# KiCad board Underside.kicad_pcb
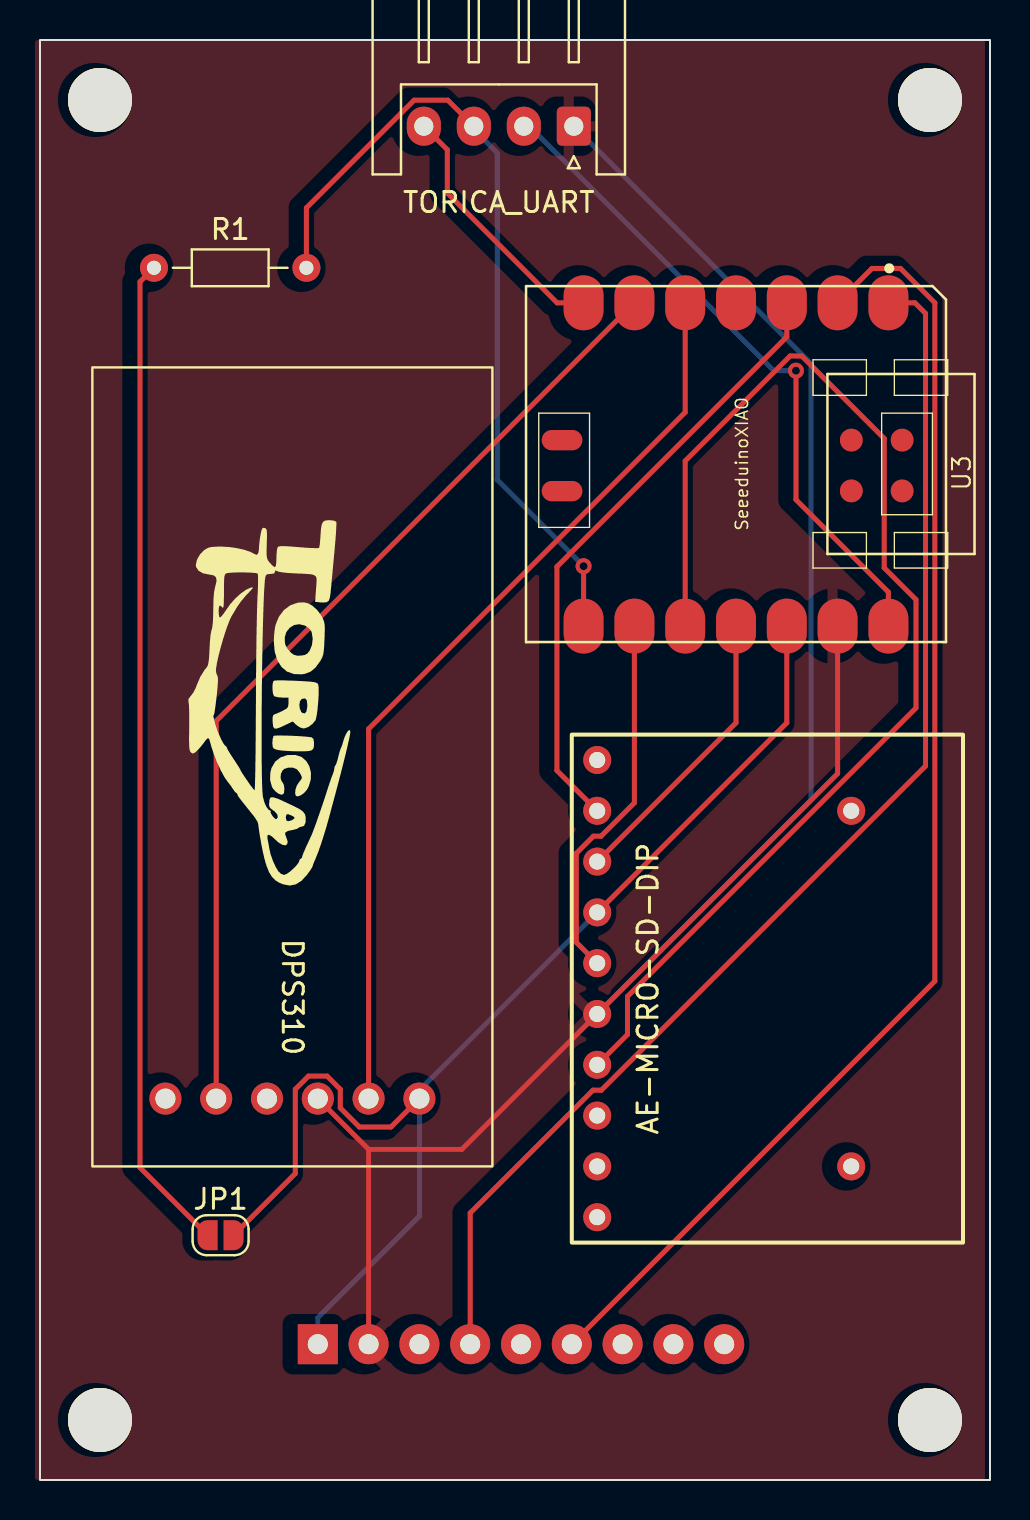
[diagram p0: board, top side]
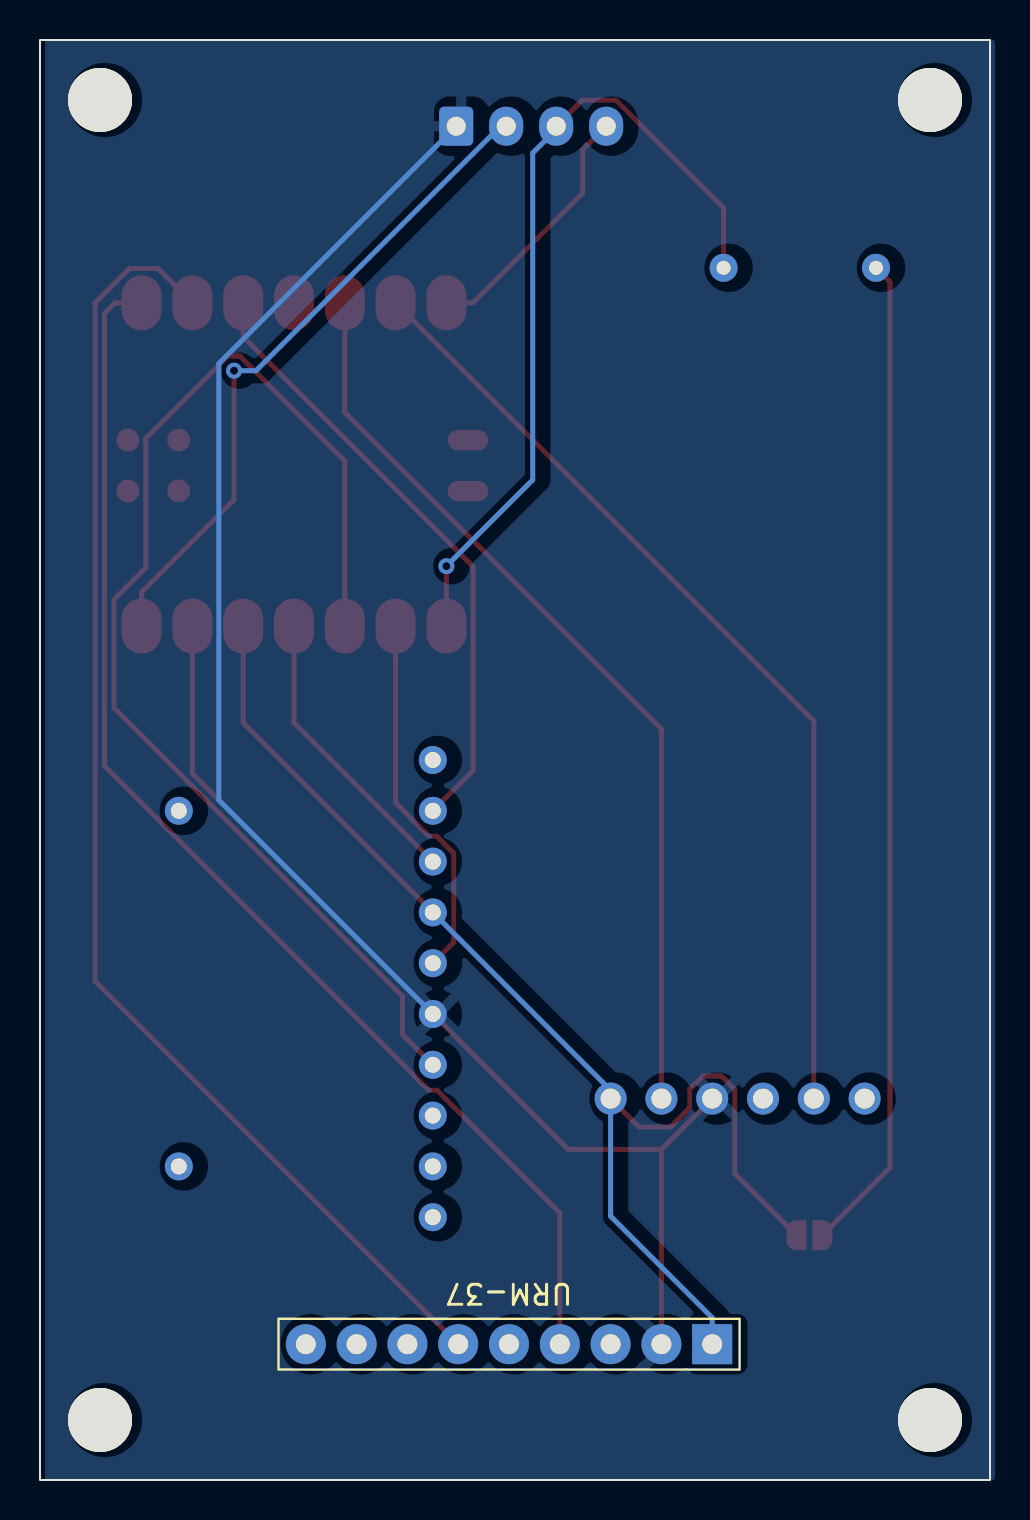
[diagram p1: board, bottom side, seen from below]

Outline 47.5 x 72 mm; copper layers: Top, Bottom. Coordinates in mm from the lower left corner of the outline.
Outline path: rectangle 0,72 47.5,0

## Placement (name value [footprint] x y rotation side)
G***  LOGO  [torica]  11.35 39.39 270 top
J1  AE-MICRO-SD-DIP  [microSD_AE-MICRO-SD-DIP]  26.59 24.57 90 top
JP1  SolderJumper_2_Open  [SolderJumper-2_P1.3mm_Open_RoundedPad1.0x1.5mm]  9.03 12.24 0 top
R1  1k  [R_Axial_DIN0204_L3.6mm_D1.6mm_P7.62mm_Horizontal]  5.7 60.61 0 top
REF1  -  [MountingHole_3.2mm_M3]  3 69 0 top
REF2  -  [MountingHole_3.2mm_M3]  3 3 0 top
REF3  -  [MountingHole_3.2mm_M3]  44.5 3 0 top
REF4  -  [MountingHole_3.2mm_M3]  44.5 69 0 top
TORICA-UART1  TORICA_UART  [JST_XH_S4B-XH-A_1x04_P2.50mm_Horizontal]  26.69 67.69 180 top
U1  -  [DPS310]  12.62 35.58 270 top
U2  URM-37  [URM37]  24.05 6.79 180 bottom
U3  SeeeduinoXIAO  [Seeeduino XIAO-MOUDLE14P-2.54-21X17.8MM]  24.3 59.69 270 top

## Library data of the parts
J1 = -: Description: Micro SD Card Socket with card detection pins
JP1 = -: Description: Solder Jumper, 2-pole, open
R1 = -: Description: Resistor
U1 = -: Description: 高精度気圧センサ
U2 = -: Description: 超音波センサー

## Footprints (pads in the part's own frame, mm; a bottom-side part is the same pattern mirrored in y, then rotated)
DPS310
  round 1.6 hole 1: 1(16.51,6.35) 2(16.51,3.81) 3(16.51,1.27) 4(16.51,-1.27) 5(16.51,-3.81) 6(16.51,-6.35)
JST_XH_S4B-XH-A_1x04_P2.50mm_Horizontal
  rrect 1.7x1.95 hole 0.95: 1(0,0)
  oval 1.7x1.95 hole 0.95: 2(2.5,0) 3(5,0) 4(7.5,0)
microSD_AE-MICRO-SD-DIP
  round 1.4 hole 0.8: 1(11.43,-1.27) 2(8.89,-1.27) 3(6.35,-1.27) 4(3.81,-1.27) 5(1.27,-1.27) 6(-1.27,-1.27) 7(-3.81,-1.27) 8(-6.35,-1.27) 9(-8.89,-1.27) 10(-11.43,-1.27) 11(-8.89,-13.97) 13(8.89,-13.97)
MountingHole_3.2mm_M3
  round 3.2 hole 3.2 unplated: (0,0)
R_Axial_DIN0204_L3.6mm_D1.6mm_P7.62mm_Horizontal
  round 1.4 hole 0.7: 1(0,0)
  oval 1.4x1.4 hole 0.7: 2(7.62,0)
Seeeduino XIAO-MOUDLE14P-2.54-21X17.8MM
  oval 2.748x1.999 smd: 1(0.833,18.118) 2(0.833,15.578) 3(0.833,13.038) 4(0.833,10.498) 5(0.833,7.958) 6(0.833,5.418) 7(0.833,2.878) 8(16.998,2.878) 9(16.998,5.418) 10(16.998,7.958) 11(16.998,10.498) 12(16.998,13.038) 13(16.998,15.578) 14(16.998,18.118)
  oval 1.016x2.032 smd: 15(7.7,1.8) 16(10.25,1.8)
  round 1.143 smd: 17(7.699,18.804) 18(10.239,18.804) 19(7.699,16.264) 20(10.239,16.264)
SolderJumper-2_P1.3mm_Open_RoundedPad1.0x1.5mm
  custom 1x1.5 smd: 1(-0.65,0) 2(0.65,0)
URM37
  rect 2x2 hole 1: 1(10.16,0)
  round 2 hole 1: 2(7.62,0) 3(5.08,0) 4(2.54,0) 5(0,0) 6(-2.54,0) 7(-5.08,0) 8(-7.62,0) 9(-10.16,0)

## Nets
+3.3V: J1.4 JP1.2 U1.1 U2.1 U3.12
+5V: TORICA-UART1.2 U3.14
GND: J1.6 TORICA-UART1.1 U1.3 U2.2 U3.13
/CS: J1.2 U3.3
/DRXT: TORICA-UART1.4 U3.7
/DTXR: R1.2 TORICA-UART1.3 U3.8
Net-(J1-CLK): J1.5 U3.9
Net-(J1-CMD): J1.3 U3.11
Net-(J1-DAT0): J1.7 U3.10
Net-(JP1-A): JP1.1 R1.1
Net-(U1-CSK): U1.5 U3.6
Net-(U1-SDI): U1.2 U3.5
Net-(U2-COMP/TRIG): U2.6 U3.2
Net-(U2-ECHO): U2.4 U3.1

Pads without a net: J1 1 8 9 10 11 13; U1 4 6; U2 3 5 7 8 9; U3 4 15 16 17 18 19 20

## Via types
v1: diameter 0.8, hole 0.4, Top to Bottom, 2 vias

## Routing (per net, layer and track width the routed paths; a pad name or vN(x,y) marks a point on that pad's centre or on a via; arc(x,y) is an arc through that point)
+3.3V: length 62.9
  Top w0.25: J1.4 37.34,37.86 U3.12 ; U1.1 17.55,17.65 15.97,17.65 15.02,18.6 15.02,19.54 14.36,20.19 13.42,20.19 12.77,19.54 12.77,15.33 JP1.2
  Bottom w0.25: J1.4 18.97,19.49 U1.1 18.97,13.2 13.89,8.12 U2.1
+5V: length 33.4
  Top w0.25: v1(37.8,55.47) 37.8,55.46 37.8,49.02 42.42,44.39 U3.14
  Bottom w0.25: v1(37.8,55.47) 36.7,55.47 24.47,67.69 TORICA-UART1.2
GND: length 105.7
  Top w0.25: 16.43,16.53 U1.3 ; 16.43,16.53 21.09,16.53 J1.6 39.88,35.32 U3.13 ; 16.43,16.53 U2.2
  Bottom w0.25: J1.6 38.56,34 38.56,55.82 TORICA-UART1.1
/CS: length 31
  Top w0.25: J1.2 25.85,35.47 25.85,45.67 37.34,57.16 U3.3
/DRXT: length 12.9
  Top w0.25: TORICA-UART1.4 20.37,66.51 20.37,64.35 25.86,58.86 U3.7
/DTXR: length 41.4
  Top w0.25: v1(27.18,45.69) U3.8 ; R1.2 13.32,63.61 18.7,68.99 20.39,68.99 TORICA-UART1.3
  Bottom w0.25: v1(27.18,45.69) 22.87,50.01 22.87,66.35 21.69,67.53 TORICA-UART1.3
Net-(J1-CLK): length 18.7
  Top w0.25: U3.9 29.72,33.86 28.05,32.19 27.67,32.19 26.82,31.34 26.82,26.88 J1.5
Net-(J1-CMD): length 14.7
  Top w0.25: J1.3 34.8,37.86 U3.11
Net-(J1-DAT0): length 60.7
  Top w0.25: U3.10 32.26,50.95 37.51,56.2 38.08,56.2 42.21,52.08 42.21,45.61 43.8,44.02 43.8,38.6 29.37,24.18 29.37,22.27 J1.7
Net-(JP1-A): length 50.1
  Top w0.25: JP1.1 5,15.62 5,59.91 R1.1
Net-(U1-CSK): length 48.5
  Top w0.25: U3.6 8.81,37.95 U1.5
Net-(U1-SDI): length 46.3
  Top w0.25: U3.5 32.26,53.39 16.43,37.56 U1.2
Net-(U2-COMP/TRIG): length 65.9
  Top w0.25: U2.6 44.74,24.94 44.74,58.86 43.02,60.58 41.6,60.58 U3.2
Net-(U2-ECHO): length 63.3
  Top w0.25: U2.4 21.51,13.35 27.65,19.49 28.07,19.49 44.28,35.7 44.28,58.33 43.74,58.86 U3.1

## Copper pours and planes (outline as drawn; the poured copper is in the pictures)
GND on Top, Bottom: 54.23,77.28 54.23,74.73 56.14,-8.45 -6.73,-4 -6.09,78.55
